# Altium PCB RemoteControl.PcbDoc (continued)
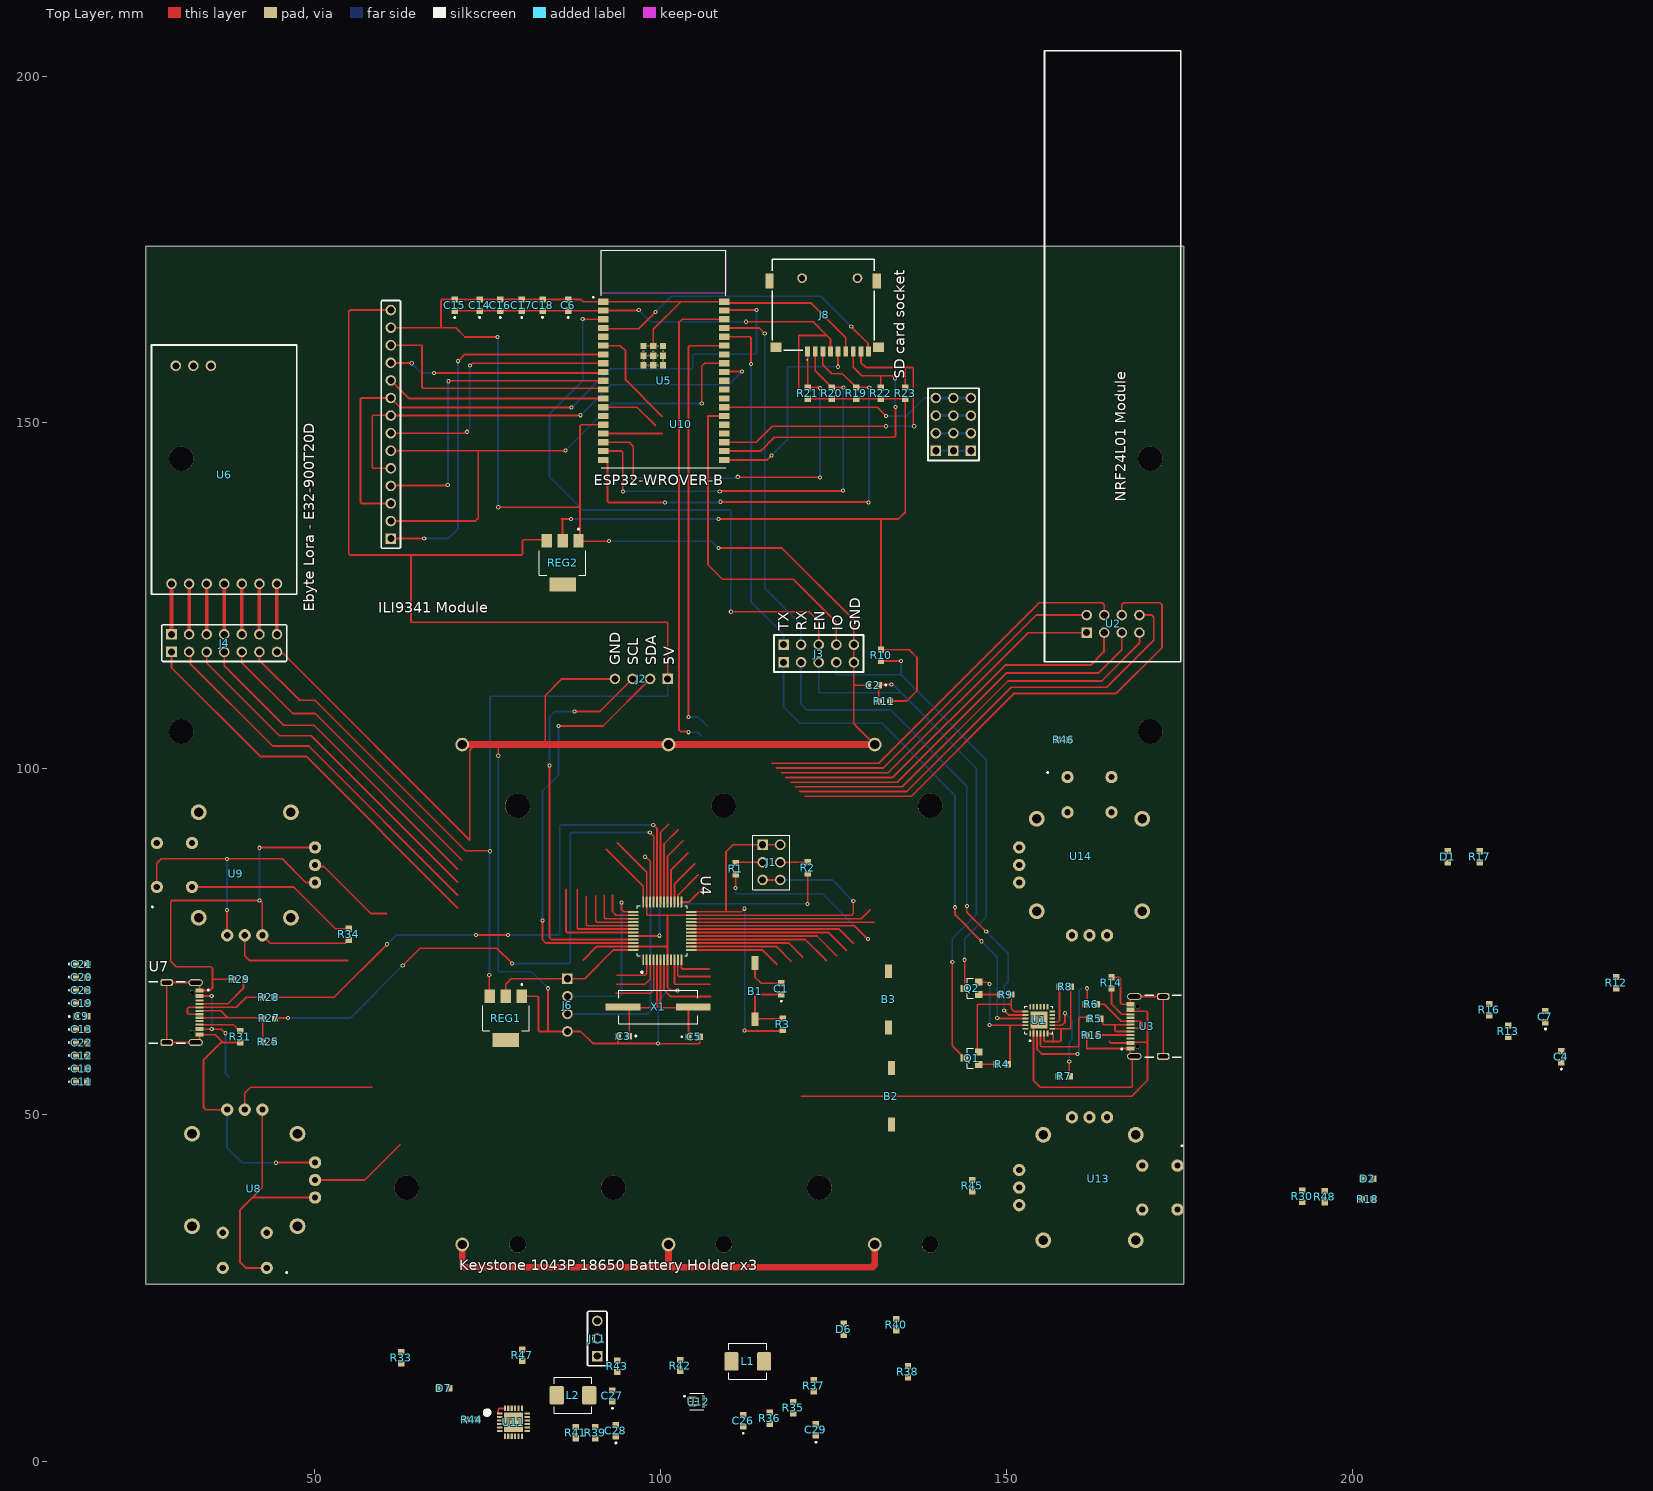
[diagram p0: Top Layer view]
## Footprints (in the part's own frame and the unit in brackets; to place one, negate y for a bottom-side part, rotate by r counter-clockwise, add the part's x,y. Pads: shape width x height; smd on the part's side, far side on the other; paste and mask are expansions set on the pad) (continued)
  round 70 hole 35.43: B1A(-125,500) B1B(125,500) B2A(-125,300) B2B(125,300)
  round 70 hole 35: H1(-100,-400) H2(0,-400) H3(100,-400) V1(-400,100) V2(-400,0) V3(-400,-100)
  round 90 hole 55: S1(-300,262.5) S2(-300,-262.5) S3(300,-262.5) S4(300,262.5)
  silkscreen extent -242,522 -234,530, body extent -535,-522 515,565, height 1190

## Part data
B1 B2 B3: library part "SMD TACT SWITCH BUTTON"
BATT1 BATT2 BATT3: library part "1043P 18650 Battery Holder"
C1 C2 C3 C4 C5 C6 C7 C9 C10 C11 C12 C13 C14 C15 C16 C17 C18 C19 C20 C21 C22 C23 C26 C27 C28 C29: library part "CAP SMD 603"
D1 D2 D6 D7: library part "LED 603 SMD"
J1: library part CON2x3_2.54mm
J2 J6: library part CON1x4_2.54mm
J8: library part L-KLS1-TF-003-H1.85-R
J11: library part CON1x3_2.54mm
Q1 Q2: "Bipolar (BJT) Transistor NPN 25 V 500 mA 150MHz 300 mW Surface Mount SOT-23N"
R1 R2 R3 R4 R5 R6 R7 R8 R9 R10 R11 R12 R13 R14 R15 R16 R17 R18 R19 R20 R21 R22 R23 R25 R27 R28 R29 R30 R31 R33 R34 R35 R36 R37 R38 R39 R40 R41 R42 R43 R44 R45 R46 R47 R48: library part "RES SMD 0603"
REG1 REG2: library part AMS1117
U6: library part "Ebyte Lora"
U8 U9 U13 U14: library part COM-09032
X1: library part "HC49-HSMX Crystal Oscillator"

## Free pads (board coordinates)
  round 3.55 hole 3.55 unplated: 1(30.8,105.4) 1(30.8,144.8) 1(170.8,105.4) 1(170.8,144.8)

## Via types
v1: diameter 0.6, hole 0.3, Top Layer to Bottom Layer, tented both sides, 100 vias

## Nets (pads, with @x,y where several pads share a name; then routed paths per layer and width w, separated by ;. In a path a pad name is that pad's centre, name@x,y a point inside that pad or via, vN(x,y) a via of type N, cw(c..) or ccw(c..) an arc to the next point about the centre after c; other vN are vias at no path point)
3.3V_ESP32: C6.1 C14.1 C15.1 C16.1 C17.1 C18.1 D1.A J8.4 R8.2 R10.1 R11.1 R19.2 R20.2 R21.2 R22.2 R23.1 REG2.2 U1.5 U1.6 U1.7 U5.2 | length 205.3
  Top Layer w0.254: C15.1 C17.1 C6.1 91.706,166.186 U5.2 96.83,166.23 v1(96.9,166.3) ; REG2.2 85.9,135.951 85.751,136.1 v1(87.1,136.1) ; v1(108.4,136.1) 131.9,136.1 ; v1(112.4,164.6) 122.1,164.6 124.1,162.6 ; J8.4 124.6,162.1 124.1,162.6 ; R11.1 135.6,109.8 137.1,111.3 137.1,116.1 136,117.2 131.914,117.2 R10.1 131.9,136.1 ; U1.5 155.45,60.749 155.599,60.6 156.651,60.6 ; U1.6 156.651,61.765 156.8,61.616 156.8,60.749 156.651,60.6 ; U1.7 157.751,62.45 ; 157.9,62.301 157.9,60.749 157.751,60.6 156.651,60.6 ; 157.901,62.3 157.751,62.45 ; R8.2 159.314,62.599 159.165,62.45 157.751,62.45 ; 124.1,162.6 120,162.6 120,154.766 121.28,153.486 R21.2 R20.2 R19.2 R22.2 R23.1 135.4,137.1 134.4,136.1 131.9,136.1
  Bottom Layer w0.254: v1(87.1,136.1) v1(108.4,136.1) ; v1(96.9,166.3) 98.6,164.6 v1(112.4,164.6)
3.3V_STM32: C9.1 C10.1 C11.1 C12.1 C13.1 J1.1 J1.4 J6.1 R3.1 R18.2 R25.2 R30.2 R48.2 REG1.2 U2.2 U4.9 U4.24 U4.36 U4.48 U8.B1A U8.H1 U8.V1 U9.B1A U9.H1 U9.V1 U13.B1A U13.H1 U13.V1 U14.B1A U14.H1 U14.V1 | length 210.4
  Top Layer w0.254: U9.B1A 27.278,86.378 27.9,87 45.4,87 48.825,83.575 U9.H1 ; v1(37.4,79.6) 37.419,79.581 37.419,75.974 U9.V1 ; U8.H1 42.518,39.518 41.066,38.066 ; U8.B1A 40.094,27.906 39.3,28.7 39.3,36.3 41.066,38.066 ; U8.V1 41.066,38.066 ; REG1.2 77.7,68.9 78.483,69.683 J6.1 89.083,69.683 93.25,73.85 U4.48 ; 92.2,88.4 97.55,83.05 U4.36 ; U4.9 U4.9@101.55,73.06 ; U4.24 109.5,79.35 ; v1(112.2,62.2) 112.266,62.134 117.548,62.134 R3.1 ; v1(112.2,79.8) 111.75,79.35 109.5,79.35 ; 116.754,100.121 132.236,100.121 154.339,122.225 U2.2 ; J1.4 J1.1 110.54,89.04 109.5,88 109.5,79.35
  Bottom Layer w0.254: v1(37.4,79.6) v1(37.4,87) ; v1(112.2,62.2) v1(112.2,79.8)
5V_LS: J11.3 R39.1 U12.3
5V_USB: J11.1 U3.A4_B9 U3.B4_A9 U7.A4_B9 U7.B4_A9 U11.1 U11.9 U11.24 | length 88.3
  Top Layer w0.254: U7.B4_A9 v1(35.2,62.4) 36.6,62.4 v1(37.2,61.8) ; U7.A4_B9 v1(35.2,67.2) ; 76.527,7.123 76.527,6.873 76.55,6.85 U11.1 ; U11.1@76.6,6.873 76.6,7.451 76.749,7.6 U11.24 ; 120.4,52.7 168.1,52.7 170.4,55 170.4,60.652 ; 164.9,60.6 165.109,60.391 U3.A4_B9 168.031,60.503 170.251,60.503 170.4,60.652 ; U3.B4_A9 168.092,65.018 168.498,65.018 168.516,65 170.251,65 170.4,64.851 170.4,62.752 170.4,60.652
  Bottom Layer w0.254: v1(35.2,62.4) v1(35.2,67.2) ; v1(37.2,61.8) 37.2,56 37.7,55.5
5V_VCC: C19.1 C20.1 C21.1 C22.1 C23.1 J2.1 J4.13 J11.2 R7.1 REG1.3 REG2.3 U10.14 | length 244.2
  Top Layer w0.254: J4.13 42.093,115.707 47.9,109.9 50.128,109.9 71.864,88.164 75.336,88.164 v1(75.4,88.1) ; U10.14 55.149,166.286 55,166.137 55,131.049 55.149,130.9 64,130.9 ; v1(75.3,70.2) 75.3,67.25 REG1.3 ; REG2.3 83.45,133.1 80.249,133.1 80.1,132.951 80.1,131.049 79.951,130.9 64,130.9 ; J2.1 101.083,121.051 100.934,121.2 64,121.2 64,130.9
  Bottom Layer w0.254: v1(75.3,70.2) 75.35,70.25 75.35,88.05 v1(75.4,88.1) 75.4,110.351 75.549,110.5 100.934,110.5 101.083,110.649 J2.1
ADC1: U4.10 U9.V2 | length 26.7
  Top Layer w0.254: U9.V2 39.978,73.022 40.695,72.305 54.869,72.305 ; U4.10 102.05,69.049 102.199,68.9 107.214,68.9
ADC2: U4.11 U9.H2 | length 20.2
  Top Layer w0.254: U9.H2 50.361,85.892 51.408,85.892 58.2,79.1 60.5,79.1 ; U4.11 102.55,70.149 102.699,70 107.184,70
ADC3: U4.12 U8.V2 | length 19.6
  Top Layer w0.254: U8.V2 57.306,40.606 62.4,45.7 ; U4.12 103.05,71.249 103.199,71.1 107.04,71.1
ADC4: U4.13 U8.H2 | length 34.4
  Top Layer w0.254: U8.H2 39.978,53.178 40.8,54 58.4,54 ; U4.13 114.75,73.85 116.847,71.753
ADC5: U4.14 U13.V2 | length 15.3
  Top Layer w0.254: U4.14 116.75,74.35 118.893,72.207
ADC6: U4.15 U13.H2 | length 17
  Top Layer w0.254: U4.15 118.55,74.85 120.6,72.8
ADC7: U4.16 U14.V2 | length 21
  Top Layer w0.254: U4.16 120.95,75.35 123.967,72.333 ; U14.V2@151.649,85.9 U14.V2
ADC8: U4.17 U14.H2 | length 22.1
  Top Layer w0.254: U4.17 122.65,75.85 125.459,73.041
BATT_ADC: R43.1 R47.1 U4.18 | length 23.6
  Top Layer w0.254: U4.18 124.35,76.35 126.965,73.735
BATT_P+: BATT1.P BATT2.P BATT3.P R43.2 U11.13 U11.14 | length 69.1
  Top Layer w1: BATT1.P 71.397,28.293 71.69,28 101.148,28 ; BATT2.P 101.197,28.049 101.148,28 ; BATT3.P 130.997,28.39 130.607,28 101.148,28
BOOT0: R2.2 U4.44 | length 34.1
  Top Layer w0.254: U4.44 99.85,75.85 v1(99.9,75.9) ; v1(121.3,80.5) R2.2
  Bottom Layer w0.254: v1(99.9,75.9) 99.9,80.351 100.049,80.5 v1@121.278,80.5
BOOT1: R1.1 U4.20 | length 50.9
  Top Layer w0.254: U4.20 128.05,77.35 v1(130,75.4) ; v1(110.9,82.8) R1.1
  Bottom Layer w0.254: v1(110.9,82.8) 110.9,82.098 111.049,81.949 123.451,81.949 v1(130,75.4)
Buton1: R34.1 U4.3 U9.B2A | length 33.1
  Top Layer w0.254: U9.B2A 47.06,82.94 53.086,76.914 R34.1 ; 93.705,68.9 97.8,68.9 98.55,69.65 U4.3
Buton2: R33.1 U4.19 U8.B2A | length 24.2
  Top Layer w0.254: U4.19 125.85,76.85 127.845,74.855
Buton3: R45.1 U4.38 U13.B2A | length 5.6
  Top Layer w0.254: 93.1,81.703 93.1,79.4 93.637,78.863 96.107,78.863 U4.38
Buton4: R46.1 U4.39 U14.B2A | length 7.5
  Top Layer w0.254: 91.9,81.731 91.9,78.499 92.049,78.35 U4.39
CON_LED: D2.C U4.4 | length 10
  Top Layer w0.254: 93.588,67.6 98.6,67.6 99.05,68.05 U4.4
EN: J3.3 U5.3 | length 87.2
  Top Layer w0.254: v1(88.8,165) 88.84,164.96 U5.3 ; v1(110.2,122.7) 121.5,122.7 122.9,121.3 J3.3
  Bottom Layer w0.254: v1(88.8,165) 88.8,156.1 84,151.3 84,142.2 88.8,137.4 110.051,137.4 110.2,137.251 v1(110.2,122.7)
EN_A: C2.1 J3.8 Q1.3 R11.2 R16.2 | length 81.8
  Top Layer w0.254: R11.2 131.586,112.058 131.728,112.2 v1(133.4,112.2) ; v1(142.2,72.1) 142.2,59.984 143.539,58.644 143.539,58.581 143.92,58.2 Q1.3
  Bottom Layer w0.254: J3.8 122.9,111.149 123.049,111 134.8,111 ; v1(133.4,112.2) 133.466,112.134 133.666,112.134 134.233,111.567 134.8,111 ; v1(142.2,72.1) 142.2,75.5 145.7,79 145.7,100.1 134.8,111
GND: B1.0 B2.0 B3.0 BATT1.N BATT2.N BATT3.N C1.2 C2.2 C3.2 C4.2 C5.2 C6.2 C7.2 C9.2 C10.2 C11.2 C12.2 C13.2 C14.2 C15.2 C16.2 C17.2 C18.2 C19.2 C20.2 C21.2 C22.2 C23.2 C27.2 C28.2 C29.1 D6.A D7.A J1.3 J1.6 J2.4 J3.5 J3.10 J4.14 J6.4 J8.6 R12.1 R14.1 R15.1 R17.2 R29.1 R31.1 R33.2 R34.2 R35.2 R37.2 R38.1 R40.1 R41.2 R45.2 R46.2 R47.2 REG1.1 REG2.1 U1.2 U1.25 U2.1 U3.A1_B12 U3.B1_A12 U3.SH1 U3.SH2 U3.SH3 U3.SH4 U4.8 U4.23 U4.35 U4.47 U5.1 U5.15 U5.38 U5.39 U5.40 U5.41 U5.42 U5.43 U5.44 U5.45 U5.46 U5.47 U5.48 U5.49 U5.50 U5.51 U5.52 U5.53 U5.54 U5.55 U5.56 U5.57 U5.58 U5.59 U7.A1_B12 U7.B1_A12 U7.SH1 U7.SH2 U7.SH3 U7.SH4 U8.H3 U8.V3 U9.H3 U9.V3 U10.13 U11.17 U11.18 U11.25 U12.1 U13.H3 U13.V3 U14.H3 U14.V3 | length 764.9
  Top Layer w0.254: U8.H3 34.334,50.766 34,51.1 34,57.9 36.586,60.486 36.814,60.486 ; R29.1 35.449,69.6 35.3,69.451 ; R31.1 36.814,60.486 ; v1(42.1,88.6) 42.155,88.655 U9.H3 ; v1(44.5,43.1) 44.523,43.123 50.115,43.123 U8.V3 ; J4.14 44.852,116.678 45.522,116.678 71.931,90.269 72.5,89.7 72.5,102.71 73.3,103.51 ; R34.2 54.98,75.286 54.662,74.968 54.662,74.949 54.513,74.8 43.673,74.8 U9.V3 42.518,80.682 42.2,81 29.5,81 29.3,80.8 29.3,72.2 30.1,71.4 35.1,71.4 35.3,71.2 35.3,69.451 ; U10.13 68.314,163.746 ; 76.5,103.51 76.6,103.41 v1(76.6,101.9) ; v1(76.5,162.4) 71.8,162.4 70.454,163.746 68.314,163.746 ; v1(76.6,137.8) 88.4,137.8 ; REG1.1 82.251,67.15 82.4,67.001 82.4,62.212 82.549,62.063 83.8,62.063 ; 83.3,103.51 83.4,103.61 83.4,110.6 85.8,113 J2.4 ; v1(83.8,68.3) 83.8,62.063 ; 88.875,72.375 90.85,74.35 U4.47 101.05,74.35 ; U5.15 88.549,149.72 88.4,149.571 88.4,137.8 ; v1(92.6,132.9) 88.25,132.9 REG2.1 88.4,133.15 88.4,137.8 ; 93.8,89.3 98.05,85.05 U4.35 98.05,78.999 98.199,78.85 U4.23 127.65,78.85 127.9,79.1 v1(127.9,80.9) ; C3.2 93.886,60.491 94.035,60.343 ; U5.43 99,163.5 103,167.5 ; 101.05,74.15 U4.8 101.05,68.45 101.5,68 v1(102.5,68) ; 101.05,74.25 101.05,74.35 ; 101.05,78.75 101.05,74.35 ; C5.2 105.731,61.283 105.731,60.3 v1(99.7,60.3) 99.657,60.343 94.035,60.343 ; v1(108.4,131.9) 117.6,131.9 127.98,121.52 J3.5 J3.10 127.98,112 ; B1.0 113.7,69.9 114.572,69.028 C1.2 ; J1.3 J1.6 ; 117.49,99.443 132.914,99.443 153.156,119.685 U2.1 ; J8.6 126.8,162.3 121.8,167.3 109.45,167.3 U5.38 103,167.5 ; C2.2@130.1,112.1 128.08,112.1 127.98,112 ; BATT3.N 127.98,106.527 127.98,112 ; U1.25 153.95,62.95 U1.2 153.95,54.95 154.9,54 168.051,54 168.2,54.149 168.2,58.177 U3.SH1 168.264,58.471 167.919,58.816 U3.A1_B12 161.613,59.591 R15.1 ; R14.1 165.251,69.849 166.351,69.849 166.5,69.7 166.5,66.14 166.649,65.991 U3.B1_A12 167.919,66.766 168.264,67.111 U3.SH2 U3.SH4 U3.SH3 ; 35.3,69.451 35.3,68.3 35,68 U7.A1_B12 33.455,68.775 33.11,69.12 U7.SH1 U7.SH3 U7.SH4 U7.SH2 33.11,60.48 33.455,60.825 U7.B1_A12 35.7,61.6 36.814,60.486 ; 68.314,163.746 68.314,167.665 68.463,167.814 C15.2 C14.2 C16.2 C17.2 C18.2 C6.2 88.586,167.814 88.9,167.5 U5.1 103,167.5 ; 83.8,62.063 J6.4 88.537,62.063 90.257,60.343 94.035,60.343
  Top Layer w1: BATT1.N 73.3,103.51 76.5,103.51 83.3,103.51 BATT2.N BATT3.N
  Bottom Layer w0.254: U8.H3 37.4,50.728 37.4,45.3 39.6,43.1 v1(44.5,43.1) ; v1(42.1,81) v1(42.1,88.6) ; v1(76.5,162.4) 76.55,162.35 76.55,137.85 v1(76.6,137.8) ; v1(76.6,101.9) 76.6,70.849 76.749,70.7 81.4,70.7 v1(83.8,68.3) ; v1(92.6,132.9) 107.4,132.9 v1(108.4,131.9) ; v1(99.7,60.3) 99.7,66.5 101.2,68 v1(102.5,68) ; J1.6 124.84,83.96 v1(127.9,80.9)
GPIO_LORA1: J4.8 U4.2 | length 64.4
  Top Layer w0.254: J4.8 29.393,114.607 42.2,101.8 48.847,101.8 70.765,79.882 ; 93.774,70.2 97.8,70.2 98.05,70.45 U4.2
GPIO_LORA2: J4.9 U4.25 | length 59.3
  Top Layer w0.254: J4.9 32.12,116.71 32.12,115.193 44.013,103.3 49.223,103.3 70.765,81.758 ; U4.25 104.18,80.78 106.9,83.5
I2C_SCL: J2.3 R30.1 R48.1 U4.45 | length 58.4
  Top Layer w0.254: v1(84,100.5) 84,75.599 84.249,75.35 U4.45 ; v1(87.6,108.3) 91.303,108.3 J2.3
  Bottom Layer w0.254: v1(84,100.5) 84,107.5 84.8,108.3 v1(87.6,108.3)
I2C_SDA: J2.2 U4.46 | length 61.2
  Top Layer w0.254: v1@83,78.102 83,75.3 83.45,74.85 U4.46 ; v1(85.3,106.2) 91.743,106.2 J2.2
  Bottom Layer w0.254: v1(83,78.1) 83,96.8 85.3,99.1 v1(85.3,106.2)
IO0: J3.4 U5.25 | length 49.1
  Top Layer w0.254: U5.25 106.91,150.99 106.9,151 106.9,129.5 109,127.4 119.2,127.4 125.44,121.16 J3.4
IO0_A: J3.9 Q2.3 R10.2 R13.2 | length 67.7
  Top Layer w0.254: R10.2 131.914,115.6 v1(134.8,115.6) ; Q2.3 v1(143.984,72.416)
  Bottom Layer w0.254: J3.9 125.44,113.749 125.589,113.6 134.8,113.6 ; v1(134.8,115.6) 134.8,113.6 ; v1(143.984,72.416) 143.984,75.484 147.1,78.6 147.1,101.3 134.8,113.6
Lora_AUX: J4.12 U4.29 | length 54.9
  Top Layer w0.254: J4.12 39.553,115.347 46.9,108 50.152,108 71.314,86.838 ; U4.29 101.05,87.35 103.3,89.6
NetB2_1: B2.1 C4.1 R13.1
NetB3_1: B3.1 C7.1 R16.1
NetC3_1: C3.1 U4.5 X1.2 | length 15.6
  Top Layer w0.254: X1.2@95.141,65.6 95.514,65.227 C3.1 ; X1.2@95.241,65.5 99.55,65.5 U4.5
NetC5_1: C5.1 U4.6 X1.1 | length 16.5
  Top Layer w0.254: U4.6 100.05,65.5 104.68,65.5 X1.1 104.459,65.6 104.086,65.227 C5.1
NetC26_1: C26.1 U11.21
NetC26_2: C26.2 L2.1 U11.19 U11.20
NetC29_2: C29.2 U11.23
NetD1_C: D1.C R17.1
NetD2_A: D2.A R18.1
NetD6_C: D6.C R42.1
NetD7_C: D7.C R44.1
NetJ1_2: J1.2 R1.2 | length 3.9
  Top Layer w0.254: R1.2 110.986,86.5 J1.2
NetJ1_5: J1.5 R2.1 | length 4
  Top Layer w0.254: J1.5 121.286,86.5 R2.1
NetJ3_6: J3.6 U1.21 | length 75.2
  Top Layer w0.254: v1(142.6,80) 142.6,78.9 v1(146.4,75.1) ; v1(148.7,64) 148.75,63.95 U1.21
  Bottom Layer w0.254: J3.6 117.82,108.98 120.2,106.6 132.1,106.6 142.6,96.1 v1(142.6,80) ; v1(146.4,75.1) 148.7,72.8 v1(148.7,64)
NetJ3_7: J3.7 U1.20 | length 73.4
  Top Layer w0.254: v1(144.3,80.2) 144.3,79.3 v1(147.1,76.5) ; v1(149.7,65.1) 149.7,65.087 150.337,64.45 U1.20
  Bottom Layer w0.254: J3.7 120.36,109.34 121.2,108.5 133.3,108.5 144.3,97.5 v1(144.3,80.2) ; v1(147.1,76.5) 150.3,73.3 150.3,69.247 149.7,68.647 v1(149.7,65.1)
NetJ4_1: J4.1 U6.1 | length 7.3
  Top Layer w0.508: J4.1 U6.1
NetJ4_2: J4.2 U6.2 | length 7.3
  Top Layer w0.508: J4.2 U6.2
NetJ4_3: J4.3 U6.3 | length 7.3
  Top Layer w0.508: J4.3 U6.3
NetJ4_4: J4.4 U6.4 | length 7.3
  Top Layer w0.508: J4.4 U6.4
NetJ4_5: J4.5 U6.5 | length 7.3
  Top Layer w0.508: J4.5 U6.5
NetJ4_6: J4.6 U6.6 | length 7.3
  Top Layer w0.508: J4.6 U6.6
NetJ4_7: J4.7 U6.7 | length 7.3
  Top Layer w0.508: J4.7 U6.7
NetL1_2: L1.2 U12.2
NetQ1_1: Q1.1 R4.1 | length 2.6
  Top Layer w0.254: Q1.1 148.575,57.311 R4.1
NetQ1_2: Q1.2 R9.2 U1.19 | length 16.1
  Top Layer w0.254: Q1.2 145.8,59.305 145.8,65.851 145.949,66 150.714,66 ; R9.2 150.714,66 ; U1.19 151.15,64.95 150.714,65.386 150.714,66
NetQ2_1: Q2.1 R9.1 | length 3.1
  Top Layer w0.254: Q2.1 146.027,67.4 R9.1
NetQ2_2: Q2.2 R4.2 U1.23 | length 18.6
  Top Layer w0.254: Q2.2 147.311,69.189 v1(147.6,68.9) ; v1(147.6,63) 147.65,62.95 150.75,62.95 ; R4.2 150.532,57.618 150.532,62.732 ; 150.6,62.8 150.75,62.95 ; U1.23 150.75,62.95
  Bottom Layer w0.254: v1(147.6,63) v1(147.6,68.9)
NetR5_1: R5.1 U3.A7 U3.B7 | length 8
  Top Layer w0.254: R5.1 163.932,63.582 163.932,63.168 164.059,63.041 165.7,63.041 ; U3.B7 165.849,62.041 165.7,62.19 165.7,63.041 ; U3.A7 165.7,63.041
NetR5_2: R5.2 U1.4 | length 13.1
  Top Layer w0.254: U1.4 154.95,59.999 155.099,59.85 160.337,59.85 160.486,59.999 160.486,64 160.586,64.1 161.786,64.1 R5.2
NetR6_1: R6.1 U3.A6 U3.B6 | length 10
  Top Layer w0.254: R6.1 164.151,66 166.61,63.541 U3.B6 169.451,63.541 169.6,63.392 169.6,62.7 169.441,62.541 U3.A6
NetR6_2: R6.2 U1.3 | length 20.5
  Top Layer w0.254: U1.3 154.45,59.45 155.1,58.8 v1(160.3,58.8) ; R6.2 161.686,66.214 v1(161.686,68.3)
  Bottom Layer w0.254: v1(160.3,58.8) 160.3,58.894 160.5,59.094 160.5,67.906 160.8,68.206 160.8,68.3
NetR7_2: R7.2 R12.2 U1.8 | length 13.1
  Top Layer w0.254: U1.8 158.05,62.95 158.5,63.4 v1(158.5,64.7) ; v1(159.1,57.7) 159.1,55.686 R7.2
  Bottom Layer w0.254: v1(158.5,64.7) 159.5,63.7 159.5,60.947 159.1,60.547 v1(159.1,57.7)
NetR8_1: R8.1 U1.9 | length 6
  Top Layer w0.254: U1.9 157.537,63.45 157.686,63.599 R8.1
NetR14_2: R14.2 U3.B5 | length 5.6
  Top Layer w0.254: R14.2 165.2,66.049 166.708,64.541 U3.B5
NetR15_2: R15.2 U3.A5 | length 4.7
  Top Layer w0.254: R15.2 U3.A5
NetR25_1: R25.1 R27.2 U7.A6 U7.B6 | length 17.2
  Top Layer w0.254: U7.B6 37.5,64.05 ; U7.A6 36.5,65.05 37.5,64.05 ; R25.1 42.586,63.886 R27.2 42.65,64.05 37.5,64.05
NetR28_2: R28.2 U7.A7 U7.B7 | length 14.1
  Top Layer w0.254: U7.A7 31.849,64.55 31.7,64.699 31.7,65.401 31.849,65.55 U7.B7 38.75,65.55 40.2,67 R28.2
NetR29_2: R29.2 U7.A5 | length 8.6
  Top Layer w0.254: U7.A5 37.55,66.05 39.785,68.285 R29.2@39.785,69.6
NetR31_2: R31.2 U7.B5 | length 6.2
  Top Layer w0.254: U7.B5 38.344,63.05 39.28,62.114 R31.2
NetR35_1: R35.1 R36.1 U11.11
NetR37_1: R37.1 U11.12
NetR38_2: R38.2 U11.10
NetR39_2: R39.2 R41.1 U12.4
NetR40_2: R40.2 U11.8
NetR42_2: R42.2 U11.7
NetR44_2: R44.2 U11.5 | length 0.1
  Top Layer w0.254: R44.2 R44.2@73.714,6.1
NRF_CE: U2.3 U4.43 | length 72.1
  Top Layer w0.254: 86.4,82.57 86.4,76.499 86.549,76.35 U4.43 ; 118.168,98.764 133.593,98.764 149.829,115 162.2,115 164.104,116.904 164.104,119.632 U2.3
NRF_CNS: U2.4 U4.42 | length 73
  Top Layer w0.254: 88,82.623 88,76.999 88.149,76.85 U4.42 ; 116.133,100.8 131.557,100.8 154.757,124 163.864,124 164.157,123.707 U2.4
NRF_IRQ: U2.8 U4.41 | length 76.6
  Top Layer w0.254: 89.3,81.549 89.3,77.499 89.449,77.35 U4.41 ; 120.204,96.729 135.629,96.729 150.7,111.8 164.5,111.8 171.3,118.6 171.3,121.932 171.007,122.225 U2.8
NRST: B1.1 C1.1 R3.2 U4.7 | length 22.8
  Top Layer w0.254: U4.7 100.55,68.05 101.5,67.1 107.285,67.1 ; C1.1 113.876,67.4 113.7,67.224 B1.1 113.778,63.914 R3.2
REGN: C27.1 R36.2 U11.22
RX: J3.2 U5.35 | length 53.3
  Top Layer w0.254: U5.35 114.31,163.69 v1(115.1,162.9)
  Bottom Layer w0.254: v1(115.1,162.9) 115.1,126.1 120.36,120.84 J3.2
SDIO_CK: J8.5 U5.20 | length 30.3
  Top Layer w0.254: U5.20 115.44,144.64 v1(116.1,145.3) ; v1(125.7,158.1) J8.5
  Bottom Layer w0.254: v1(116.1,145.3) 118.4,147.6 118.4,158 118.5,158.1 v1(125.7,158.1)
SDIO_CMD: J8.3 R19.1 U5.19 | length 70.9
  Top Layer w0.254: U5.19 92.05,144.64 92.373,144.317 92.373,138.649 92.522,138.5 v1(100.7,138.5) ; v1(108.7,138.6) 108.75,138.55 130.05,138.55 v1(130.1,138.5) ; J8.3 123.5,158.4 124.8,157.1 126.344,157.1 R19.1 130.186,155.114 v1(130.2,155.1)
  Bottom Layer w0.254: v1(100.7,138.5) 108.506,138.5 108.606,138.6 v1(108.7,138.6) ; v1(130.1,138.5) 130.15,138.55 130.15,155.05 v1(130.2,155.1)
SDIO_D0: J8.7 R22.1 U5.21 | length 44.7
  Top Layer w0.254: U5.21 114.51,145.91 116.5,147.9 133.8,147.9 134,148.1 v1(134,152.3) ; J8.7 127.9,158 129.1,156.8 131.7,156.8 ; R22.1 131.875,156.625 131.7,156.8 ; v1(133.9,156.4) 133.5,156.8 131.7,156.8
  Bottom Layer w0.254: v1(133.9,156.4) 133.95,156.35 133.95,152.35 v1(134,152.3)
SDIO_D1: J8.8 R23.2 U5.22 | length 49.2
  Top Layer w0.254: U5.22 113.88,147.18 116.2,149.5 v1(132.6,149.5) ; J8.8 129,158.7 129.7,158 135.4,158 ; R23.2 135.4,158 ; v1(136.7,149.5) 136.7,149.594 136.544,149.75 136.544,157.851 136.395,158 135.844,158 135.4,158
  Bottom Layer w0.254: v1(132.6,149.5) v1(136.7,149.5)
SDIO_D2: J8.1 R21.1 U5.17 | length 56.2
  Top Layer w0.254: U5.17 95.52,147.18 96.1,146.6 v1(96.1,142) ; v1(111.2,142.2) 111.25,142.15 123.05,142.15 v1(123.1,142.1) ; J8.1 R21.1 122.986,155.114 v1(123.1,155)
  Bottom Layer w0.254: v1(96.1,142) 110.906,142 111.106,142.2 v1(111.2,142.2) ; v1(123.1,142.1) v1(123.1,155)
SDIO_D3: J8.2 R20.1 U5.18 | length 63.2
  Top Layer w0.254: U5.18 94.451,145.91 94.6,145.761 v1(94.6,140.1) ; v1(108.6,140.1) 108.65,140.15 126.35,140.15 v1(126.4,140.2) ; J8.2 122.4,157.519 R20.1 126.486,155.114 v1(126.5,155.1)
  Bottom Layer w0.254: v1(94.6,140.1) v1(108.6,140.1) ; v1(126.4,140.2) 126.45,140.25 126.45,155.05 v1(126.5,155.1)
SDIO_P: J8.9 U5.4 | length 44.3
  Top Layer w0.254: U5.4 91.84,163.6 96.9,163.6 v1(99.3,166) ; v1(127.6,163.9) 130.025,161.475 130.025,160.375 J8.9
  Bottom Layer w0.254: v1(99.3,166) 101.6,168.3 123.2,168.3 v1(127.6,163.9)
SPI1_MISO: U2.7 U4.27 | length 66.6
  Top Layer w0.254: U4.27 102.05,83.35 105,86.3 ; 119.526,97.407 134.95,97.407 150.243,112.7 163.8,112.7 169.237,118.137 U2.7
SPI1_MOSI: U2.6 U4.28 | length 82.3
  Top Layer w0.254: U4.28 101.55,85.35 104,87.8 ; 120.883,96.05 136.307,96.05 151.157,110.9 165.9,110.9 172.5,117.5 172.5,123.707 172.207,124 166.99,124 166.697,123.707 U2.6
SPI1_SCK: U2.5 U4.26 | length 63.4
  Top Layer w0.254: U4.26 102.563,80.793 102.563,81.763 105.5,84.7 ; 118.847,98.086 134.271,98.086 150.052,113.866 163.366,113.866 166.697,117.197 U2.5
SPI3_CS1: U5.11 U10.12 | length 36.8
  Top Layer w0.254: U10.12 65.451,161.206 65.6,161.057 65.6,155.149 65.749,155 91.55,155 U5.11
SPI3_CS2: U5.10 U10.4 | length 45.7
  Top Layer w0.254: U10.4@61.077,140.943 69.243,140.943 v1(69.3,141) ; v1(69.4,156) 69.47,156.07 U5.10
  Bottom Layer w0.254: v1(69.3,141) 69.35,141.05 69.35,155.95 v1(69.4,156)
SPI3_DC: U5.12 U10.10 | length 31.7
  Top Layer w0.254: U10.10 63.673,153.53 U5.12
SPI3_IRQ: U5.7 U10.1 | length 55.9
  Top Layer w0.254: U10.1 61.111,133.3 v1(65.9,133.3) ; v1(70.8,158.9) 71.78,159.88 U5.7
  Bottom Layer w0.254: v1(65.9,133.3) 69.4,133.3 70.8,134.7 v1(70.8,158.9)
SPI3_LED: U5.8 U10.7 | length 40.2
  Top Layer w0.254: U10.7 71.612,148.506 71.74,148.634 72.034,148.634 v1(72.1,148.7) ; v1(72.5,158.3) 72.594,158.3 72.894,158.6 91.74,158.6 U5.8
  Bottom Layer w0.254: v1(72.1,148.7) 72.1,148.794 72.5,149.194 v1(72.5,158.3)
SPI3_MISO: U5.31 U10.2 U10.6 | length 79.2
  Top Layer w0.254: U10.2 73.306,135.806 73.7,136.2 73.7,145.866 73.8,145.966 ; U10.6 73.8,145.966 ; v1(86.3,146) 86.266,145.966 73.8,145.966 ; v1(106,152.8) 106,158.2 106.41,158.61 U5.31
  Bottom Layer w0.254: v1(86.3,146) 93.1,152.8 v1(106,152.8)
SPI3_MOSI: U5.37 U10.3 U10.9 | length 92.5
  Top Layer w0.254: U10.3 56.849,138.346 56.7,138.495 56.7,153.437 56.849,153.586 U10.9 62.263,152.4 62.463,152.2 v1(87.2,152.2) ; U5.37 109.32,166.3 v1(113.9,166.3)
  Bottom Layer w0.254: v1(87.2,152.2) 92.804,157.804 104.551,157.804 104.7,157.953 104.7,159.751 104.849,159.9 113.751,159.9 113.9,160.049 v1(113.9,166.3)
SPI3_RESET: U5.9 U10.11 | length 31.3
  Top Layer w0.254: U10.11 61.11,158.633 64.067,158.633 v1(64.1,158.6) ; v1(67.3,157.2) 91.61,157.2 U5.9
  Bottom Layer w0.254: v1(64.1,158.6) 65.5,157.2 v1(67.3,157.2)
SPI3_SCK: U5.30 U10.5 U10.8 | length 68.8
  Top Layer w0.254: U10.5 58.549,143.426 58.4,143.575 58.4,150.951 58.549,151.1 61.023,151.1 U10.8 61.104,151.073 88.473,151.073 v1(88.5,151.1) ; U5.30 109.31,157.4 v1(111.8,157.4)
  Bottom Layer w0.254: v1(88.5,151.1) 92.9,155.5 109.9,155.5 v1(111.8,157.4)
SPI4_CS: U5.26 U10.15 | length 32.2
  Top Layer w0.254: U5.26 131.34,152.26 v1(132.6,151)
  Bottom Layer w0.254: v1(132.6,151) 135.6,151 138.186,153.586 U10.15@139.817,153.586
SPI4_MISO: U5.6 U10.17 | length 15.2
  Top Layer w0.254: U5.6 94.25,161.15 95,160.4 95,156.2 100.25,150.95
SPI4_MOSI: U5.16 U10.16 | length 8.6
  Top Layer w0.254: U5.16 100.3,148.45
SPI4_SCK: U5.13 U10.18 | length 8.6
  Top Layer w0.254: U5.13 96.64,152.26 99.278,149.622
STM32_OTG_E: U4.40 U11.6 | length 9.1
  Top Layer w0.254: 90.7,81.66 90.7,77.999 90.849,77.85 U4.40
SYS_SWCLCK: J6.2 U4.37 | length 24.1
  Top Layer w0.254: v1(94.4,80.7) 94.4,79.7 94.75,79.35 U4.37
  Bottom Layer w0.254: J6.2 94.251,67.143 94.4,67.292 v1(94.4,80.7)
SYS_SWDIO: J6.3 U4.34 | length 41.7
  Top Layer w0.254: v1(97.8,87.3) 97.894,87.3 98.319,86.875 98.325,86.875 98.55,86.65 U4.34
  Bottom Layer w0.254: J6.3 98.203,64.603 98.6,65 98.6,86.6 98.325,86.875 98.319,86.875 97.894,87.3 v1(97.8,87.3)
SYSTEM: C28.1 L1.1 L2.2 U11.15 U11.16 U12.5 U12.6 U12.7
TX: J3.1 U5.34 | length 50.2
  Top Layer w0.254: U5.34 112.951,162.42 113.1,162.271 v1(113.1,158.5)
  Bottom Layer w0.254: v1(113.1,158.5) 113.1,124.149 117.82,119.429 J3.1
UART1_RX: J4.11 U4.30 | length 59.2
  Top Layer w0.254: J4.11 37.013,114.88 45.593,106.3 49.976,106.3 70.765,85.511 ; U4.30 100.55,89.15 102.6,91.2
UART1_TX: J4.10 U4.31 | length 62.7
  Top Layer w0.254: J4.10 34.5,116.87 34.5,115.3 45,104.8 49.599,104.8 70.765,83.634 ; U4.31 100.05,90.85 101.2,92
UART3_RX: U4.22 U5.33 | length 88.3
  Top Layer w0.254: v1(104.1,107.5) 104.1,161.001 104.249,161.15 U5.33 ; U4.22 129.05,78.35 130.3,79.6
  Bottom Layer w0.254: v1(104.1,107.5) 105.5,107.5 105.6,107.4 106.8,106.2
UART3_TX: U4.21 U5.36 | length 95.7
  Top Layer w0.254: v1(104.1,105.3) 104,105.3 103.9,105.4 102.9,105.4 102.7,105.6 102.7,164.5 103.16,164.96 U5.36 ; U4.21 130.9,77.85
  Bottom Layer w0.254: v1(104.1,105.3) 105.4,105.3 106,104.7
USB_DM: R28.1 U4.32 | length 85.6
  Top Layer w0.254: R28.1 52.876,67 v1(60.538,74.662) ; v1(73.4,76) v1(78,76) ; v1(99,91.9) 99.55,91.35 U4.32
  Bottom Layer w0.254: v1(60.538,74.662) 61.876,76 v1(73.4,76) ; v1(78,76) 85.351,76 85.5,76.149 85.5,91.751 85.649,91.9 v1(99,91.9)
USB_DP: R27.1 U4.33 | length 88.2
  Top Layer w0.254: R27.1 v1(46.2,64) ; v1(62.8,71.6) 65.3,74.1 76.4,74.1 v1(78.6,71.9) ; v1(98.5,90.8) 99.05,90.25 U4.33
  Bottom Layer w0.254: v1(46.2,64) 55.2,64 v1(62.8,71.6) ; v1(78.6,71.9) 86.851,71.9 87,72.049 87,90.651 87.149,90.8 v1(98.5,90.8)
pads on no net: BATT1. BATT2. BATT3. J8.10 J8.11 J8.12 J8.13 J8.14 J8.15 REG1.4 REG2.4 U1.1 U1.10 U1.11 U1.12 U1.13 U1.14 U1.15 U1.16 U1.17 U1.18 U1.22 U1.24 U3. U3.A8 U3.B8 U4.1 U5.5 U5.14 U5.23 U5.24 U5.27 U5.28 U5.29 U5.32 U6.8 U6.9 U6.10 U7. U7.A8 U7.B8 U8.B1B U8.B2B U8.S1 U8.S2 U8.S3 U8.S4 U9.B1B U9.B2B U9.S1 U9.S2 U9.S3 U9.S4 U11.2 U11.3 U11.4 U13.B1B U13.B2B U13.S1 U13.S2 U13.S3 U13.S4 U14.B1B U14.B2B U14.S1 U14.S2 U14.S3 U14.S4

## Silkscreen, mask and mechanical layers (free items; w line width, h text height)
Top Overlay:
  text "TX" at 118.557,119.94 h1.52 r90
  text "RX" at 121.157,119.94 h1.52 r90
  text "EN" at 123.757,119.94 h1.52 r90
  text "IO" at 126.357,119.94 h1.52 r90
  text "GND" at 128.897,119.94 h1.52 r90
  text "GND" at 94.2,115 h1.52 r90
  text "SCL" at 96.8,115 h1.52 r90
  text "SDA" at 99.4,115 h1.52 r90
  text "5V" at 102,115 h1.52 r90
  text "Keystone 1043P 18650 Battery Holder x3" at 70.954,27.562 h1.52

## Text inside footprints (layer, text, board x,y; h text height)
U3: Mechanical 13 "PCB EDGE" at 175.174,68.191 h0.41 r90
U7: Mechanical 13 "PCB EDGE" at 26.2,59.4 h0.41 r270